# Altium PCB power-v3.3.PcbDoc (part 2 of 3)
Units mm, origin at the board's own origin, x right, y up, seen from the top; angles counter-clockwise.
Board outline 155.99 x 87.14 mm, 4 copper layers (Signal 1, Ground, Power, Signal 2), stack 1.536 mm thick; 227 components, 142 nets, 618 pads, 1072 vias.
Unrouted connection lines stored in the file: 100.
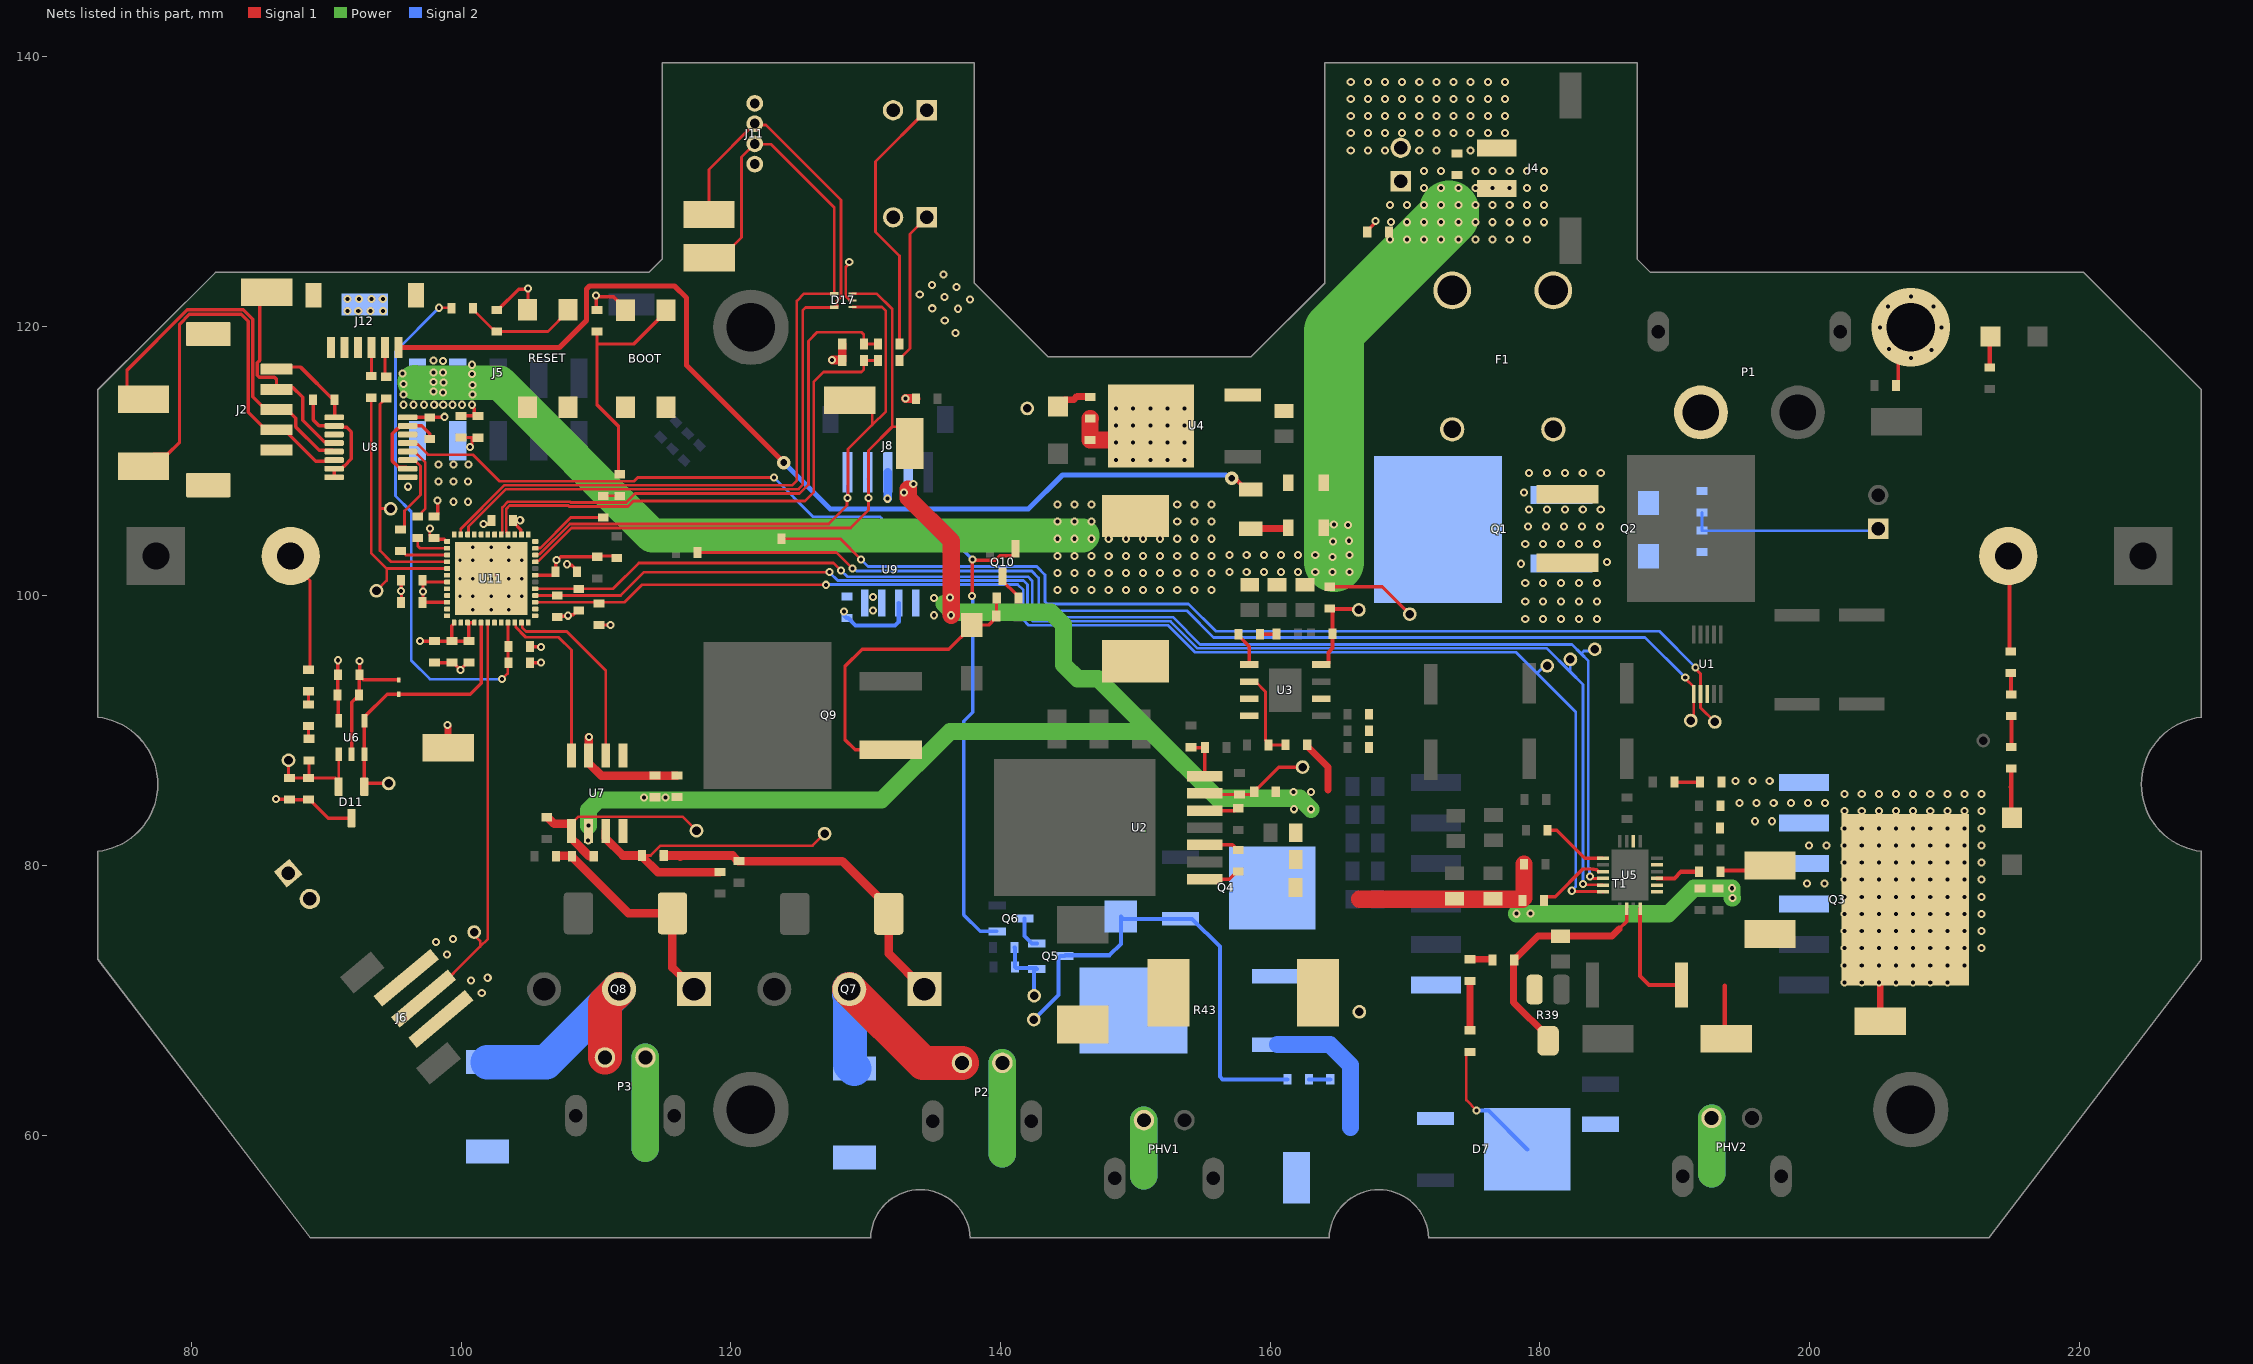
[diagram p4: the nets of this part, all layers, seen from the top]

## Part data (continued)
F2: library part "FUSE 3A 63V SLOW", "FUSE 3A 63V AC/DC SLOW 1206", Current Rating (Amps)=3A, Operating Temperature="-55°C ~ 90°C", Voltage Rating - AC=63V, Response Time="Slow Blow", Voltage Rating - DC=63V
J1 J3: "Connector Header Through Hole 2 position 0.098 _2.50mm_ / JST XH", Package=None, Availability=Unavailable, MF="JST Sales", MP=B2B-XH-A_LF__SN_, Price=None, SnapEDA_Link=https://www.snapeda.com/parts/B2B-XH-A%28LF%29%28SN%29/JST%20Sales%20America%20Inc./view-part/492310/?ref=snap
J2: library part "CN 5POS JST ZE SMT", "CONN HEADER VERT SMD 5POS ZE", Supplier Part Number 1=455-2383-1-ND, Supplier 1=Digi-Key
J4: library part "CN HDR 2POS Molex 0436500214", "Connector Header Surface Mount, Right Angle 2 position 0.118\" (3.00mm)", Manufacturer_Name=Molex, Manufacturer_Part_Number=43650-0214, Supplier Part Number 1=WM14310CT-ND, Datasheet Link=http://www.molex.com/webdocs/datasheets/pdf/en-us//0436500214_PCB_HEADERS.pdf, Supplier 1=Digi-Key, Supplier 2=Newark, Supplier 3="Arrow Electronics", Supplier 4=Mouser, Supplier Part Number 2=39AH6218, Supplier Part Number 3=43650-0214, Supplier Part Number 4=538-43650-0214
J5: library part "CN HDR 10POS MOLEX 430451010", "Connector Header Surface Mount, Right Angle 10 position 0.118\" (3.00mm)", Mfr_Name="Molex Connector Corporation", Supplier Part Number 1=WM3819CT-ND, Copyright="Copyright (C) 2021 Ultra Librarian. All rights reserved.", Digi-Key_Part_Number_1=WM3819TR-ND, Digi-Key_Part_Number_2=WM3819CT-ND, Digi-Key_Part_Number_3=WM3819DKR-ND, Manufacturer_Part_Number=430451010, RefDes=RefDes, Supplier 1=Digi-Key, Supplier 2=Newark, Supplier 3=Mouser, Supplier Part Number 2=03AH4054, Supplier Part Number 3=538-43045-1010, Type=DEV
J6: library part "CN HDR 3POS JST PH", "Connector Header Surface Mount 3 position 0.079\" (2.00mm)", Package="2010 JST", Supplier Part Number 1=455-1735-1-ND, Digi-Key_Part_Number=455-1735-1-ND, Digi-Key_Purchase_URL=https://www.digikey.com/product-detail/en/jst-sales-america-inc/B3B-PH-SM4-TB_LF__SN_/455-1735-1-ND/926832?utm_source=snapeda&utm_medium=aggregator&utm_campaign=symbol, MF="JST Sales", MP=B3B-PH-SM4-TB_LF__SN_, SnapEDA_Link=https://www.snapeda.com/parts/B3B-PH-SM4-TB%28LF%29%28SN%29/JST%20Sales%20America%20Inc./view-part/53135/?ref=snap, Supplier 1=Digi-Key
J7 J9 J10: "Connector Header Through Hole 2 position 0.098 _2.50mm_ / JST XH", Package=None, Supplier Part Number 1=455-2247-ND, Availability=Unavailable, MF="JST Sales", MP=B2B-XH-A_LF__SN_, Price=None, SnapEDA_Link=https://www.snapeda.com/parts/B2B-XH-A%28LF%29%28SN%29/JST%20Sales%20America%20Inc./view-part/492310/?ref=snap, Supplier 1=Digi-Key, Supplier 2=RSComponents, Supplier 3=RSComponents, Supplier Part Number 2=1667312, Supplier Part Number 3=8201554
J8: library part "CN 5POS JST ZR RA", "Connector Header Surface Mount, Right Angle 5 position 0.059\" (1.50mm)", Mfr_Name=JST, Supplier Part Number 1=455-1696-1-ND, Copyright="Copyright (C) 2021 Ultra Librarian. All rights reserved.", Digi-Key_Part_Number_1=455-1696-2-ND, Digi-Key_Part_Number_2=455-1696-1-ND, Digi-Key_Part_Number_3=455-1696-6-ND, Manufacturer_Part_Number="S5B-ZR-SM4A-TF (LF) (SN)", RefDes=RefDes, Supplier 1=Digi-Key, Type=DEV
J11: library part "CN HDR 4POS JST ZR", "Connector Header Through Hole, Right Angle 4 position 0.059\" (1.50mm)", Mfr_Name=JST, Supplier Part Number 1=455-1671-ND, Copyright="Copyright (C) 2021 Ultra Librarian. All rights reserved.", Digi-Key_Part_Number_1=455-1671-ND, Manufacturer_Part_Number=S4B-ZR(LF)(SN), RefDes=RefDes, Supplier 1=Digi-Key, Supplier 2=Newark, Supplier Part Number 2=38K8076, Type=DEV
J12: library part "CN 6POS JST SR SMT", "Connector Header Surface Mount, Right Angle 6 position 0.039 _1.00mm_", Package=None, Supplier Part Number 1=455-1806-1-ND, Digi-Key_Part_Number=455-1806-1-ND, Digi-Key_Purchase_URL=https://www.digikey.com/product-detail/en/jst-sales-america-inc/SM06B-SRSS-TB_LF__SN_/455-1806-1-ND/926877?utm_source=snapeda&utm_medium=aggregator&utm_campaign=symbol, MF="JST Sales", MP=SM06B-SRSS-TB_LF__SN_, SnapEDA_Link=https://www.snapeda.com/parts/SM06B-SRSS-TB%28LF%29%28SN%29/JST%20Sales%20America%20Inc./view-part/554386/?ref=snap, Supplier 1=Digi-Key
L1: library part "IND 33UH 8A 58 MOHM SMD", "33µH Shielded Wirewound Inductor 8A 58mOhm Max Nonstandard", Package="1008 Bourns", Availability=Unavailable, MF=Bourns, MP=SRP1265A-330M, Price=None, SnapEDA_Link=https://www.snapeda.com/parts/SRP1265A-330M/Bourns/view-part/55645/?ref=snap, Supplier 1=Digi-Key, Supplier 2=Newark, Supplier 3=Mouser
L2: library part "IND 3.3UH 12A 12 MOHM SMD", "3.3uH 12A Shielded Molded Inductor 12mOhm Max", Mfr_Name=Vishay, Supplier Part Number 1=541-1020-1-ND, Copyright="Copyright (C) 2021 Ultra Librarian. All rights reserved.", Digi-Key_Part_Number_1=541-1020-1-ND, Digi-Key_Part_Number_2=541-1020-2-ND, Digi-Key_Part_Number_3=541-1020-6-ND, Manufacturer_Part_Number=IHLP5050CEER3R3M01, RefDes=RefDes, Supplier 1=Digi-Key, Type=DEV
P1: library part "XT60 Connector", "XT60 CONNECTORS FEMALE PAIR", Supplier Part Number 1=1568-1816-ND, Digikey=1568-1816-ND, Digikey Link=https://www.digikey.ca/product-detail/en/sparkfun-electronics/PRT-10474/1568-1816-ND/8258064, MF="SparkFun Electronics", MP=PRT-10474, Package=XT60, Price="2.13000 CAD", Supplier 1=Digi-Key
P2 P3: library part "CN MOLEX 4365002XX", "MOLEX MICROFIT 2CKT RIGHT THRU", Package=Microfit, Supplier Part Number 1=WM6264CT-ND, Digikey=WM17581-ND, Digikey Link=https://www.digikey.com/en/products/detail/molex/0436500205/3310532?s=N4IgTCBcDaICwGYBsBWADGsaUgLoF8g, MF=MOLEX, MP=4365002XX, Price="1.44 CAD", Supplier 1=Digi-Key, Supplier 2=Newark, Supplier 3=Mouser, Supplier Part Number 2=WM17581-ND, Supplier Part Number 3=538-43650-0210
PHV1 PHV2: library part "CN MOLEX 4365002XX", "MOLEX MICROFIT 2CKT RIGHT THRU", Package=Microfit, Digikey=WM17581-ND, Digikey Link=https://www.digikey.com/en/products/detail/molex/0436500205/3310532?s=N4IgTCBcDaICwGYBsBWADGsaUgLoF8g, MF=MOLEX, MP=4365002XX, Price="1.44 CAD", Supplier 1=Digi-Key, Supplier Part Number 2=WM17581-ND
Q1 Q2 Q9: library part "MOSFET IPB80P03P4L-04", "P-Channel 30 V 80A (Tc) 137W (Tc) Surface Mount PG-TO263-3-2", Manufacturer_Name=Infineon, Mouser Part Number=726-IPB80P03P4L-04, Datasheet Link=https://componentsearchengine.com//IPB80P03P4L-04.pdf, Height=4.5mm, Manufacturer_Part_Number=IPB80P03P4L-04, Mouser Price/Stock=https://www.mouser.co.uk/ProductDetail/Infineon-Technologies/IPB80P03P4L-04?qs=wK%252BoHS4yu562EimsoDeBJQ%3D%3D, Supplier 1=Mouser, Supplier Part Number 1=726-IPB80P03P4L-04
Q3: library part "MOSFET N-CH FDB52N20TM", "N-Channel 200 V 52A (Tc) 357W (Tc) Surface Mount D²PAK (TO-263)", Supplier Part Number 1=FDB52N20TMCT-ND, Supplier 1=Digi-Key
Q4: library part "MOSFET N-CH STD16N65M2", "N-Channel 650 V 11A (Tc) 110W (Tc) Surface Mount DPAK", Supplier Part Number 1=497-15258-1-ND, MFG=STMicroelectronics, Supplier=Digikey, Supplier 1=Digi-Key, Supplier PN=497-16925-1-ND
Q5 Q6 Q10: library part "MOSFET N-CH TN2130K1-G", "N-Channel 300 V 85mA (Tj) 360mW (Tc) Surface Mount TO-236AB (SOT23)", Mfr_Name=Microchip, Supplier Part Number 1=TN2130K1-GCT-ND, Copyright="Copyright (C) 2021 Ultra Librarian. All rights reserved.", Digi-Key_Part_Number_1=TN2130K1-GCT-ND, Digi-Key_Part_Number_2=TN2130K1-GDKR-ND, Digi-Key_Part_Number_3=TN2130K1-GTR-ND, Manufacturer_Part_Number=TN2130K1-G, RefDes=RefDes, Supplier 1=Digi-Key, Type=DEV
Q7 Q8: "IGBT Field Stop 600V 150A 750W Through Hole PowerTO-247-3", Package="TO-247 Fairchild Semiconductor", Power=750W, Supplier Part Number 1=FGY75N60SMDFS-ND, Ic max=150A, MF="ON Semiconductor", MP=FGY75N60SMD, Supplier 1=Digi-Key, Topology="Field Stop IGBT", Vce max=600V, Vge max=±20V
R1 R2 R26 R28 R31 R33 R46: library part "RES 100k 1/8W - 1%", "RES SMD 100K OHM 1% 1/8W 0805/0603", Package=0805, Power (Watts)=0.125W, Tolerance=1%
R3 R42 R44: library part "RES 5.1M 1/8W-5%", "RES SMD 5.1 MOHM 5% 1/8W 0805", Package=0805, Power (Watts)=0.125W, Tolerance=5%
R4 R38 R57 R58 R59 R63 R64: library part "RES 0 JUMPER", "RES SMD 0 OHM JUMPER GENERIC 0805/0603", Package=0805
R5 R6: library part "RES 4.7k 1/8W - 5%", "RES SMD 4.7k OHM 5% 1/8W 0805", Package=0805, Power (Watts)=0.125W, Tolerance=5%
R7 R8: library part "RES 2m 1W", "RES SMD 2m OHM 1% 1W 1206", Package=1206, Power (Watts)=1W, Tolerance=1%, Resistance=2mOHM
R9 R18 R55: library part "RES 47k 1/8W - 5%", "RES SMD 47k OHM 5% 1/8W 0805", Package=0805, Power (Watts)=0.125W, Tolerance=5%
R10: library part "RES 8.45k 1/8W", "RES SMD 8.45k OHM 1% 1/8W 0603", Package=0603, Power (Watts)=0.125W, Tolerance=1%
R11: library part "RES 383k 1/10W", "RES SMD 383k OHM 1% 1/10W 0603", Package=0603, Power (Watts)=0.1W, Tolerance=1%
R12 R36 R61: library part "RES 10k 1/8W - 5%", "RES SMD 10K OHM 5% 1/8W 0805/0603", Package=0805, Power (Watts)=0.125W, Tolerance=5%
R13 R60 R62 R65 R68: library part "RES 1k 1/8W - 1%", "RES SMD 1K OHM 1% 1/8W 0603/0805", Package=0805, Power (Watts)=0.125W, Tolerance=1%
R14 R25 R27 R29 R34 R35 R56: library part "RES 100k 1/8W - 5%", "RES SMD 100K OHM 5% 1/8W 0805/0603", Package=0805, Power (Watts)=0.125W, Tolerance=5%
R15: library part "RES 4.3k 1/10W", "RES SMD 4.3K OHM 1% 1/10W 0603", Package=0603, Power (Watts)=0.1W, Tolerance=5%
R16: library part "RES 47k 1/8W - 1%", "RES SMD 47K OHM 1% 1/8W 0805", Package=0805, Power (Watts)=0.125W, Tolerance=1%
R17: library part "RES 820 1/10W", "RES SMD 820 OHM 1% 1/10W 0603", Package=0603, Power (Watts)=0.1W, Tolerance=1%
R19 R51 R53: library part "RES 110.0 1/8W - 1%", "RES SMD 110 OHM 1% 1/8W 0805/0603", Package=0805, Power (Watts)=0.125W, Tolerance=1%
R20: library part "RES 1.96k 1/8W", "RES SMD 1.96K OHM 1% 1/8W 0805", Package=0805, Power (Watts)=0.125W, Tolerance=1%
R21: library part "RES 174k 1/8W", "RES SMD 174K OHM 1% 1/8W 0805/0603", Case Code (Imperial)=0805, Case Code (Metric)=2012, Manufacturer=Yageo, Manufacturer Part Number=RC0805FR-07174KL, Max Operating Temperature=155°C, Max Power Dissipation=125mW, Min Operating Temperature=-55°C, Package Quantity=1, Resistance=174kR, Supplier Part Number 1=311-174KCRCT-ND, Temperature Coefficient=100ppm/°C, Tolerance=1%, Voltage Rating=150V, Case/Package=0805, Category="Chip SMD Resistors", ComponentLink1Description=https://datasheet.ciiva.com/2509/pyu-r-int-thick-7-2509472.pdf?src-supplier=Digi-Key, ComponentLink1URL=https://datasheet.ciiva.com/2509/pyu-r-int-thick-7-2509472.pdf?src-supplier=Digi-Key, ComponentLink2Description=https://datasheet.ciiva.com/2509/pyu-r-int-thick-7-2509471.pdf?src-supplier=Digi-Key, ComponentLink2URL=https://datasheet.ciiva.com/2509/pyu-r-int-thick-7-2509471.pdf?src-supplier=Digi-Key, ComponentLink3Description=https://datasheet.ciiva.com/2509/pyu-r-int-thick-7-2509473.pdf?src-supplier=Digi-Key, ComponentLink3URL=https://datasheet.ciiva.com/2509/pyu-r-int-thick-7-2509473.pdf?src-supplier=Digi-Key, Composition="Thick Film", Contact Plating=Tin,Matte, Depth=1.25mm, Features="Moisture Resistant", Height=0.024inch, Lead Free="Lead Free", Length=2mm, Military Standard=Not, Number of Terminations=2, Packaging="Tape and Reel", Power Rating=125mW, Pricing 1="1=0.10000, 10=0.04000, 100=0.01630, 1000=0.00731, 2500=0.00635 (USD)", Radiation Hardening=No, RoHS=Yes, Stock 1=27863, Supplier 1=Digi-Key, Termination=SMD/SMT, Voltage Rating (DC)=150V, Width=0.049inch
R22: library part "RES 255k 1/8W - 5%", "0805/0603 Resistor, 6A, 0.125W, 25ppm, 0.1%, 255K"
R23 R47 R48 R49: library part "RES 330k 1/8W - 1%", "RES SMD 330K OHM 1% 1/8W 0805/0603"
R24: library part "RES 495k 1/8W", "RES SMD 495K OHM 1% 1/8W 0805/0603", Case Code (Imperial)=0805, Case Code (Metric)=2012, Manufacturer=Yageo, Manufacturer Part Number=RC0805FR-07499KL, Max Operating Temperature=155°C, Min Operating Temperature=-55°C, Power Rating=125mW, Resistance=499kR, Supplier Part Number 1=311-499KCRCT-ND, Temperature Coefficient=100ppm/°C, Tolerance=1%, Voltage Rating=150V, Case/Package=0805, Category="Chip SMD Resistors", ComponentLink1Description=https://datasheet.ciiva.com/15189/getdatasheetpartid-326570-15189975.pdf?src-supplier=Verical, ComponentLink1URL=https://datasheet.ciiva.com/15189/getdatasheetpartid-326570-15189975.pdf?src-supplier=Verical, Composition="Thick Film", Contact Plating=Tin,Lead,Matte, Depth=1.25mm, Lead Free="Lead Free", Length=2mm, Military Standard=Not, Packaging="Tape and Reel", Pricing 1="1=0.10000, 10=0.04000, 100=0.01630, 1000=0.00731, 2500=0.00635 (USD)", Radiation Hardening=No, RoHS=Yes, Stock 1=2275, Supplier 1=Digi-Key, Termination=SMD/SMT, Voltage Rating (DC)=150V
R30 R37: library part "RES 25.5k 1/8W", "RES SMD 25.5K OHM 0.1% 1/8W 0805/0603", Case Code (Imperial)=0805, Case Code (Metric)=2012, Manufacturer=Panasonic, Manufacturer Part Number=ERA-6AEB2552V, Max Operating Temperature=155°C, Max Power Dissipation=125mW, Min Operating Temperature=-55°C, Package Quantity=1, Resistance=25.5kR, Supplier Part Number 1=P25.5KDACT-ND, Temperature Coefficient=25ppm/°C, Tolerance=0.1%, Voltage Rating=100V, Case/Package=0805, Category="Chip SMD Resistors", ComponentLink1Description=https://datasheet.ciiva.com/11810/0900766b80eb1d8c-11810651.pdf?src-supplier=RSComponents, ComponentLink1URL=https://datasheet.ciiva.com/11810/0900766b80eb1d8c-11810651.pdf?src-supplier=RSComponents, ComponentLink2Description=https://datasheet.ciiva.com/26335/459526-da-01-en-widerstand-0805-era-26335831.pdf?src-supplier=Conrad, ComponentLink2URL=https://datasheet.ciiva.com/26335/459526-da-01-en-widerstand-0805-era-26335831.pdf?src-supplier=Conrad, ComponentLink3Description=https://datasheet.ciiva.com/7870/485442-7870651.pdf?src-supplier=Element14, ComponentLink3URL=https://datasheet.ciiva.com/7870/485442-7870651.pdf?src-supplier=Element14, ComponentLink4Description=https://datasheet.ciiva.com/5987/485442-5987308.pdf?src-supplier=Farnell, ComponentLink4URL=https://datasheet.ciiva.com/5987/485442-5987308.pdf?src-supplier=Farnell, ComponentLink5Description=https://datasheet.ciiva.com/7870/485442-7870652.pdf?src-supplier=Element14, ComponentLink5URL=https://datasheet.ciiva.com/7870/485442-7870652.pdf?src-supplier=Element14, ComponentLink6Description=https://datasheet.ciiva.com/30151/54aoa0000ce26-30151583.pdf?src-supplier=Onlinecomponents.com, ComponentLink6URL=https://datasheet.ciiva.com/30151/54aoa0000ce26-30151583.pdf?src-supplier=Onlinecomponents.com, ComponentLink7Description=https://datasheet.ciiva.com/9191/aoa0000ce26-9191422.pdf?src-supplier=Avnet, ComponentLink7URL=https://datasheet.ciiva.com/9191/aoa0000ce26-9191422.pdf?src-supplier=Avnet, Composition="Metal Film,Thin Film", Contact Plating=Tin, Depth=1.25mm, Features="Automotive AEC-Q200", Height=0.5mm, Lead Free="Lead Free", Length=2mm, Military Standard=Not, Mount="Surface Mount", Number of Pins=2, Number of Terminations=2, Packaging="Tape and Reel", Power Rating=125mW, Pricing 1="1=0.36000, 10=0.30200, 100=0.11820, 1000=0.04948, 2500=0.04536 (USD)", Radiation Hardening=No, RoHS=Yes, Stock 1=5872, Supplier 1=Digi-Key, Termination=Solder, Voltage Rating (DC)=100V, Width=1.25mm
R32: library part "RES 11.5k 1/8W", "RES SMD 11.5K OHM 0.1% 1/8W 0805 Thin Film", Case Code (Imperial)=0805, Case Code (Metric)=2012, Manufacturer=Panasonic, Manufacturer Part Number=ERA-6AEB1152V, Max Operating Temperature=155°C, Max Power Dissipation=125mW, Min Operating Temperature=-55°C, Package Quantity=1, Resistance=11.5kR, Supplier Part Number 1=P11.5KDACT-ND, Temperature Coefficient=25ppm/°C, Tolerance=0.1%, Voltage Rating=100V, Case/Package=0805, Category="Chip SMD Resistors", ComponentLink1Description=https://datasheet.ciiva.com/11810/0900766b80eb1d8c-11810868.pdf?src-supplier=RSComponents, ComponentLink1URL=https://datasheet.ciiva.com/11810/0900766b80eb1d8c-11810868.pdf?src-supplier=RSComponents, ComponentLink2Description=https://datasheet.ciiva.com/41450/001181306-da-01-en-widerstand-era-0805-11k5-0-1-5000st-41450464.pdf?src-supplier=Conrad, ComponentLink2URL=https://datasheet.ciiva.com/41450/001181306-da-01-en-widerstand-era-0805-11k5-0-1-5000st-41450464.pdf?src-supplier=Conrad, ComponentLink3Description=https://datasheet.ciiva.com/5987/485442-5987301.pdf?src-supplier=Farnell, ComponentLink3URL=https://datasheet.ciiva.com/5987/485442-5987301.pdf?src-supplier=Farnell, ComponentLink4Description=https://datasheet.ciiva.com/7829/485442-7829142.pdf?src-supplier=Element14, ComponentLink4URL=https://datasheet.ciiva.com/7829/485442-7829142.pdf?src-supplier=Element14, ComponentLink5Description=https://datasheet.ciiva.com/17211/aoa0000ce26-17211855.pdf?src-supplier=Avnet+Europe, ComponentLink5URL=https://datasheet.ciiva.com/17211/aoa0000ce26-17211855.pdf?src-supplier=Avnet+Europe, ComponentLink6Description=https://datasheet.ciiva.com/7829/485442-7829143.pdf?src-supplier=Element14, ComponentLink6URL=https://datasheet.ciiva.com/7829/485442-7829143.pdf?src-supplier=Element14, ComponentLink7Description=https://datasheet.ciiva.com/9193/aoa0000ce26-9193735.pdf?src-supplier=Avnet, ComponentLink7URL=https://datasheet.ciiva.com/9193/aoa0000ce26-9193735.pdf?src-supplier=Avnet, ComponentLink8Description=https://datasheet.ciiva.com/24024/aoa0000ce26-197354-24024328.pdf?src-supplier=Mouser, ComponentLink8URL=https://datasheet.ciiva.com/24024/aoa0000ce26-197354-24024328.pdf?src-supplier=Mouser, Composition="Thin Film,Metal Film", Contact Plating=Tin, Depth=1.25mm, Features="Automotive AEC-Q200", Height=0.5mm, Lead Free="Lead Free", Length=2mm, Military Standard=Not, Mount="Surface Mount", Number of Pins=2, Number of Terminations=2, Packaging="Tape and Reel", Power Rating=125mW, Pricing 1="1=0.34000, 10=0.28800, 100=0.11260, 1000=0.04712, 2500=0.04320 (USD)", Radiation Hardening=No, RoHS=Yes, Stock 1=10661, Supplier 1=Digi-Key, Termination=Solder, Voltage Rating (DC)=100V, Width=1.25mm
R39: library part "RES POT 200", "SMD Potentiometer 200Ohm Range", Supplier Part Number 1=ST32ETB202CT-ND, Supplier 1=Digi-Key, Supplier 2=Digi-Key, Supplier 3=Newark, Supplier Part Number 2=ST32ETB202TR-ND, Supplier Part Number 3=58AC4255
R40: library part "RES 7m 3W", "RES SMD 7m OHM 1% 3W 2512", Package=1206, Power (Watts)=3W, Supplier Part Number 1=541-10361-1-ND, Tolerance=1%, ComponentLink1Description="Digikey Link", ComponentLink1URL=https://www.digikey.com/en/products/detail/vishay-dale/WFMB2512R0500FEA/9972278, Digikey=541-10282-1-ND, MFG=VISHAY, Resistance=7mOHM, Supplier 1=Digi-Key
R41: library part "RES 1.05k 1/8W", "RES SMD 1.05K OHM 0.1% 1/8W 0805/0603", Package=0805, Supplier Part Number 1=P1.05KDACT-ND, Tolerance=0.1%, Supplier 1=Digi-Key, Wattage=0.125W
R43: library part "RES 1.5k 50W", "RES SMD 1.5K OHM 1% 50W D2PAK", Package="D2PAK (TO-263)", Power (Watts)=50W, Tolerance=1%
R45: library part "RES 270k 1/8W", "RES SMD 270K OHM 5% 1/8W 0805/0603", Package=0805, Power (Watts)=0.125W, Tolerance=5%
R50: library part "RES 13k 1/8W", "RES SMD 13K OHM 5% 1/8W 0805/0603", Package=0805, Power (Watts)=0.125W, Tolerance=5%
R52 R54: library part "RES 10k 1/8W - 1%", "RES SMD 10K OHM 1% 1/8W 0805/0603", Package=0805, Power (Watts)=0.125W, Tolerance=1%
R66 R67: library part "RES 200.0 1/8W", "RES SMD 200 OHM 5% 1/8W 0805", Package=0805, Power (Watts)=0.125W, Tolerance=5%
T1: "Audio Transformers / Signal Transformers DA2032 Cap Chrgr For Linear LT3750/51", Supplier Part Number 1=994-DA2034-ALB, Supplier 1=Mouser
U1: library part ltc4151ims#pbf, "Power Supply Controller Power Supply Monitor 10-MSOP", Mfr_Name="Analog Devices / Linear Technology", Supplier Part Number 1=LTC4151IMS#PBF-ND, Copyright="Copyright (C) 2021 Ultra Librarian. All rights reserved.", Digi-Key_Part_Number_1=LTC4151IMS#PBF-ND, Manufacturer_Part_Number=ltc4151ims#pbf, RefDes=RefDes, Supplier 1=Digi-Key, Type=DEV
U2: "3A SIMPLE SWITCHERÂ®, Step-Down Voltage Regulator", Package=None, Availability=Unavailable, ComponentLink1Description=octopart, ComponentLink1URL=https://octopart.com/search?q=LM22677TJ-ADJ%2FNOPB&currency=USD&specs=0, MP=LM22677TJ-ADJ, Price=None
U3: "IC REG BUCK ADJ 6A 8HTSOP-J", Mfr_Name="ROHM Semiconductor", Supplier Part Number 1=846-1115-1-ND, Copyright="Copyright (C) 2021 Ultra Librarian. All rights reserved.", Digi-Key_Part_Number_1=846-1115-2-ND, Digi-Key_Part_Number_2=846-1115-1-ND, Digi-Key_Part_Number_3=846-1115-6-ND, Manufacturer_Part_Number=BD9C601EFJ-E2, RefDes=RefDes, Supplier 1=Digi-Key, Supplier 2=Newark, Supplier 3=Avnet, Supplier 4=Farnell, Supplier Part Number 2=53X2986, Supplier Part Number 3=BD9C601EFJ-E2, Supplier Part Number 4=2420849, Type=DEV
U4: "Linear Voltage Regulator IC Positive Fixed 1 Output  1A TO-252-3", Package=TO-252-3, Supplier Part Number 1=ZLDO1117K33DICT-ND, Digikey=ZLDO1117K33DIDKR-ND, Digikey Link=https://www.digikey.ca/product-detail/en/diodes-incorporated/ZLDO1117K33TC/ZLDO1117K33DIDKR-ND/2095639, MF="Diodes Incorporated", MP=ZLDO1117K33TC, Supplier 1=Digi-Key
U5: "Photoflash Capacitor Charger PMIC 20-QFN (4x5)", Manufacturer_Part_Number=lt3751iufd#pbf, Mfr_Name="Analog Devices / Linear Technology", Copyright="Copyright (C) 2021 Ultra Librarian. All rights reserved.", Digi-Key_Part_Number_1=LT3751IUFD#PBF-ND, RefDes=RefDes, Supplier 1=Digi-Key, Supplier 2="Arrow Electronics", Supplier 3=Mouser, Supplier Part Number 2=LT3751IUFD#PBF, Type=DEV
U6: library part "OP AMP MCP6231UT-E/OT", "General Purpose Amplifier 1 Circuit Rail-to-Rail SOT-23-5", Mfr_Name=Microchip, Supplier Part Number 1=MCP6231UT-E/OTCT-ND, Copyright="Copyright (C) 2021 Ultra Librarian. All rights reserved.", Digi-Key_Part_Number_1=MCP6231UT-E/OTCT-ND, Digi-Key_Part_Number_2=MCP6231UT-E/OTDKR-ND, Digi-Key_Part_Number_3=MCP6231UT-E/OTTR-ND, Manufacturer_Part_Number=MCP6231UT-E/OT, RefDes=RefDes, Supplier 1=Digi-Key, Type=DEV
U7: "Low-Side Gate Driver IC Non-Inverting 8-SOIC", Supplier Part Number 1=MCP14A0454T-E/SNCT-ND, Supplier 1=Digi-Key, Supplier 2=Mouser, Supplier Part Number 2=579-MCP14A0454TE/SN
U8: library part "ISO ADUM141D1BRQZ", "Digital Isolator CMOS 4-CH 150Mbps 16-Pin QSOP T/R", Case/Package=SSOP, Isolated Power=No, Manufacturer="Analog Devices", Manufacturer Part Number=ADUM141D1BRQZ-RL7, Max Operating Temperature=125°C, Min Operating Temperature=-40°C, Category="Interface ICs", Channel Type=Unidirectional, ComponentLink1Description=https://www.analog.com/media/en/technical-documentation/data-sheets/ADuM140D_140E_141D_141E_142D_142E.pdf?src-supplier=Digi-Key, ComponentLink1URL=https://www.analog.com/media/en/technical-documentation/data-sheets/ADuM140D_140E_141D_141E_142D_142E.pdf?src-supplier=Digi-Key, Data Rate=150Mbps, Mount="Surface Mount", Number Of Channels=4, Number of Pins=16, Packaging="Tape and Reel", Pricing 1="1=3.87700, 10=3.47000, 25=3.26100, 50=3.22900, 100=2.78500, 250=2.67500 (USD)", Propagation Delay=13ns, Pulse Width Distortion (PWD)=3ns, RoHS=Yes, RoHS Compliant=Yes, Stock 1=341, Supplier 1="Arrow Electronics", Supplier Part Number 1=ADUM141D1BRQZ-RL7, Type="General Purpose"
U9: "Supervisor Push-Pull, Totem Pole 1 Channel 8-SOIC", Package="SOIC-8 Analog Devices", Supplier Part Number 1=ADM706SARZ-REELCT-ND, Check_prices=https://www.snapeda.com/parts/ADM706SARZ-REEL/Analog+Devices/view-part/?ref=eda, Digi-Key_Part_Number=ADM706SARZ-REELCT-ND, MF="Analog Devices", MP=ADM706SARZ-REEL, Purchase-URL=https://pricing.snapeda.com/search/part/ADM706SARZ-REEL/?ref=eda, SnapEDA_Link=https://www.snapeda.com/parts/ADM706SARZ-REEL/Analog+Devices/view-part/?ref=snap, Supplier 1=Digi-Key, Supplier 2="Arrow Electronics", Supplier 3=Mouser, Supplier Part Number 2=ADM706SARZ-REEL, Supplier Part Number 3=584-ADM706SARZ-R
U11: "Bluetooth, WiFi 802.11b/g/n, Bluetooth v4.2 +EDR, Class 1, 2 and 3 Transceiver Module 2.4GHz ~ 2.5GHz Surface Mount", Package="SMD-48 Espressif Systems", Supplier Part Number 1=1904-1029-1-ND, Availability=Warning, Check_prices=https://www.snapeda.com/parts/ESP32-PICO-D4/Espressif%20Systems/view-part/2762121/?ref=eda, ComponentLink1Description="jlcpcb parts list", ComponentLink1URL=https://jlcpcb.com/parts/componentSearch?isSearch=true&searchTxt=esp32-pico, MF="Espressif Systems", MP=ESP32-PICO-D4, Price=None, Purchase-URL=https://pricing.snapeda.com/search/part/ESP32-PICO-D4/?ref=eda, SnapEDA_Link=https://www.snapeda.com/parts/ESP32-PICO-D4/Espressif%20Systems/view-part/2762121/?ref=snap, Supplier 1=Digi-Key, Supplier 2=Mouser, Supplier Part Number 2=356-ESP32-PICO-D4

## Free pads (board coordinates)
  round 5.6 hole 3.6: ""(121.496,61.92) ""(121.496,119.92) ""(207.496,61.92) ""(207.496,119.92)

## Via types
v1: diameter 0.6, hole 0.3, Signal 1 to Signal 2, tented both sides, 1045 vias
v2: diameter 0.5, hole 0.25, Signal 1 to Signal 2, tented both sides, 21 vias
v3: diameter 5.8, hole 3.6, Signal 1 to Signal 2, 4 vias
v4: diameter 1, hole 0.5, Signal 1 to Signal 2, 2 vias
